# Altium PCB UHF-QM1.PcbDoc (part 1 of 2) (continued)
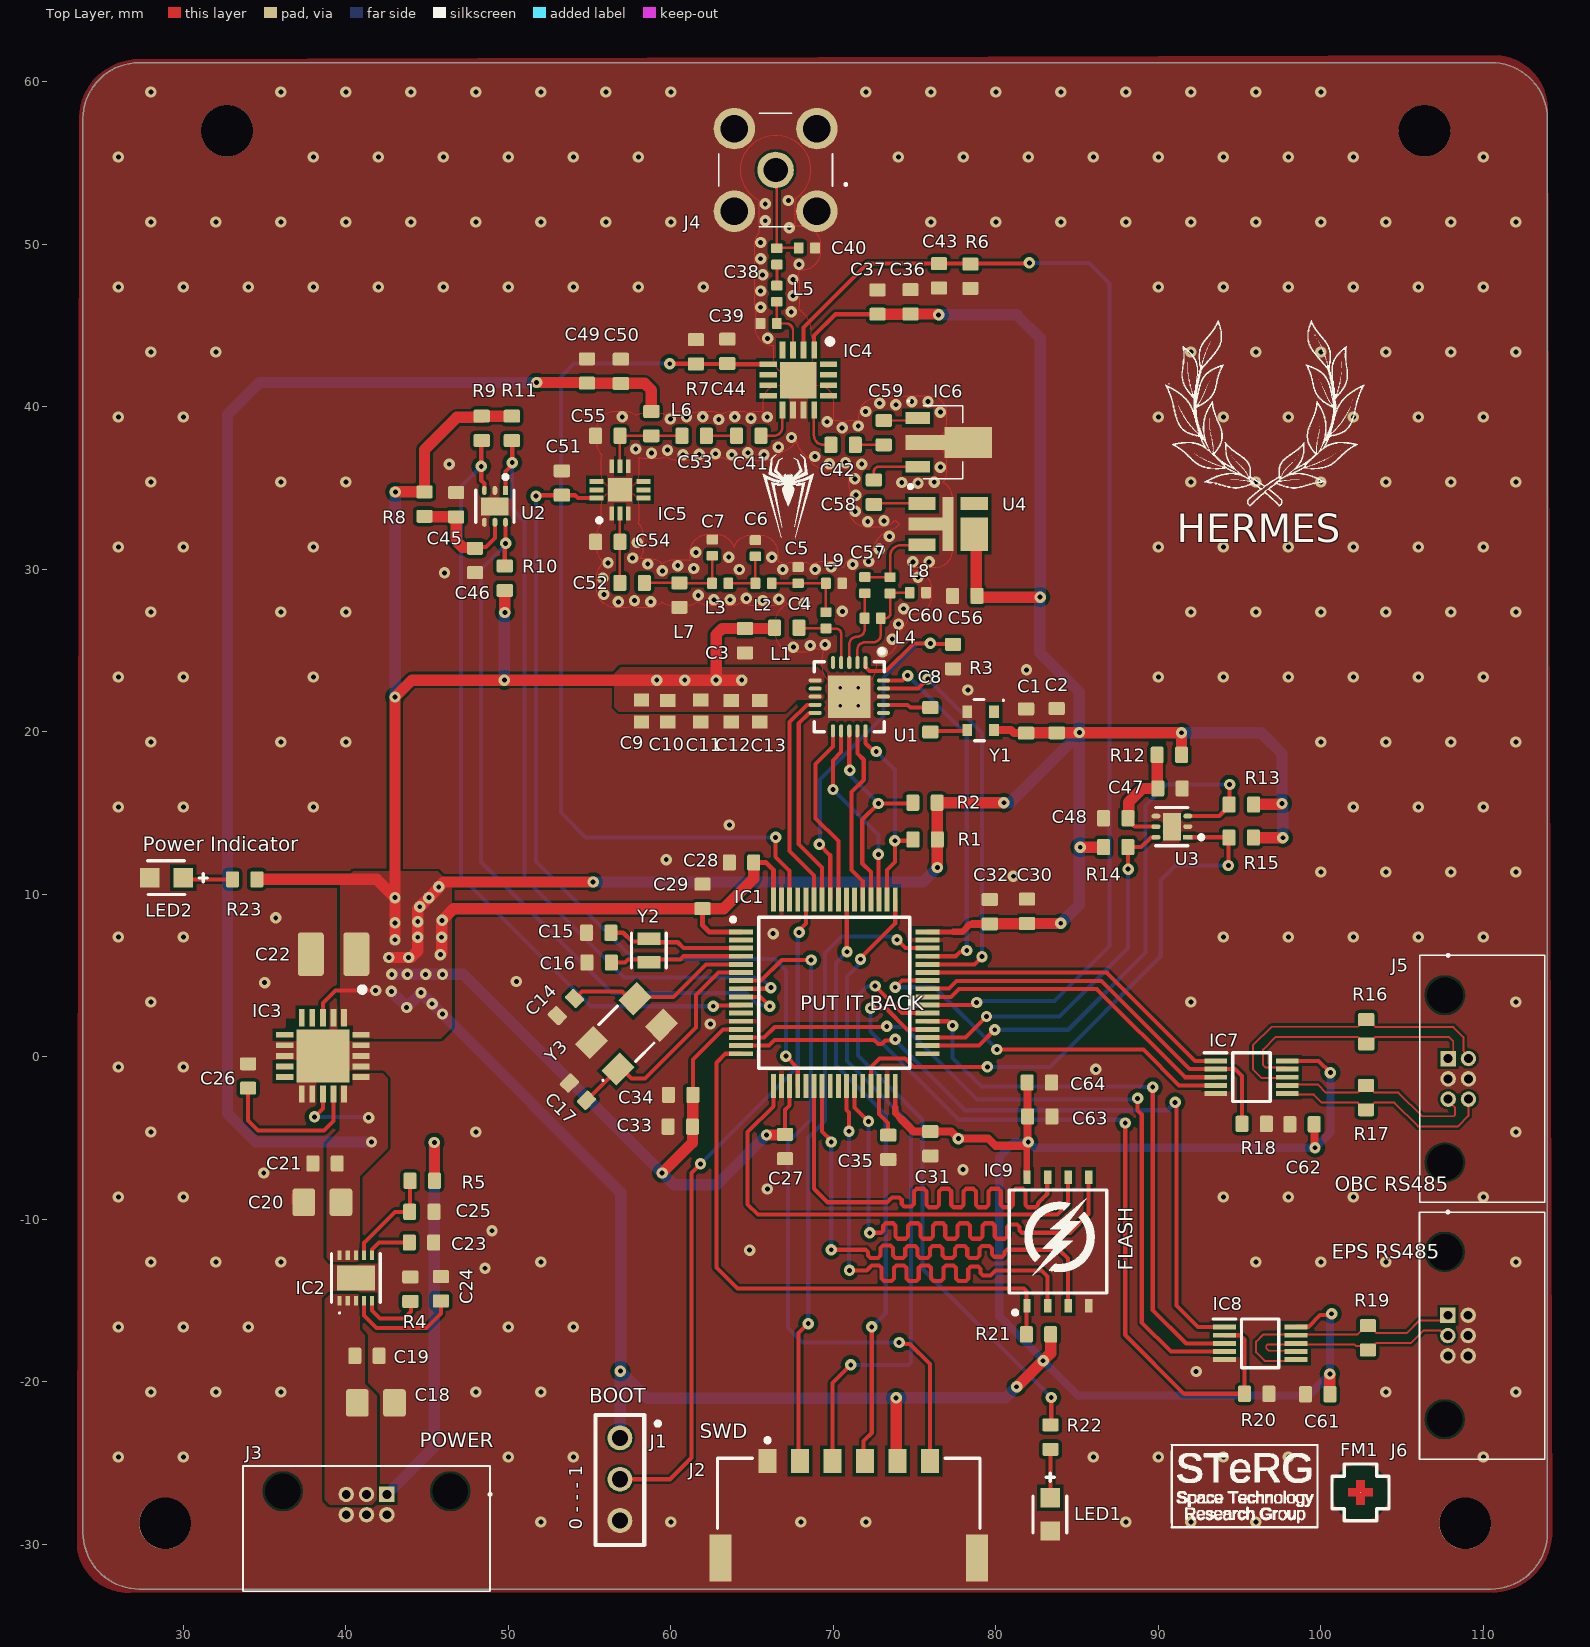
[diagram p0: Top Layer view]
## Components (designator, comment, footprint, x,y, rotation, side; value= is the part's Value field where it differs from the comment)
C1 "100nF" CAP_0603#1 81.864,20.676 r270 top
C2 "10nF" CAP_0603#1 83.744,20.701 r270 top
C3 "33pF" CAP_0603#1 64.567,25.615 r270 top
C4 "6.8pF" CAP_0402 69.545,26.873 r90 top
C5 "10pF" CAP_0402 67.831,29.646 r270 top
C6 "18pF" CAP_0402 65.206,31.306 r270 top
C7 "10pF" CAP_0402 62.553,31.342 r270 top
C8 "10nF +/-?% XR?" CAP_0603#1 75.971,20.752 r270 top
C9 "2u2f" CAPC1608X87N 58.191,21.295 r270 top
C10 "100nf" CAPC1608X87N 59.817,21.269 r270 top
C11 "100pf" CAPC1608X87N 61.849,21.295 r270 top
C12 "33pf" CAPC1608X87N 63.717,21.281 r270 top
C13 "100nf" CAPC1608X87N 65.469,21.281 r270 top
C14 "27pF" CAP_0603#1 53.543,3.073 r225 top
C15 "20pF" CAP_0603#1 55.562,7.645 r0 top
C16 "20pF" CAP_0603#1 55.587,5.817 r0 top
C17 "27pF" CAP_0603#1 54.283,-2.137 r135 top
C18 "10uF" CAP_0805 41.847,-21.286 r180 top
C19 "100nF" CAP_0603#1 41.3,-18.39 r180 top
C20 "10uF" CAP_0805 38.557,-8.941 r0 top
C21 "100nF" CAP_0603#1 38.722,-6.553 r0 top
C22 "47uF" CAP_1210 39.243,6.325 r0 top
C23 "100nF" CAP_0603#1 44.657,-11.417 r0 top
C24 "100nF" CAP_0603#1 45.851,-14.264 r90 top
C25 "100nF" CAP_0603#1 44.679,-9.525 r180 top
C26 "1uF" CAP_0603#1 33.985,-1.168 r270 top
C27 "100nF" CAP_0603#1 67.031,-5.512 r90 top
C28 "100nF" CAP_0603#1 64.352,11.963 r0 top
C29 "100nF" CAP_0603#1 61.951,9.881 r270 top
C30 "1uF" CAP_0603#1 81.915,8.966 r270 top
C31 "100nF" CAP_0603#1 75.971,-5.334 r90 top
C32 "100nF" CAP_0603#1 79.629,8.941 r270 top
C33 "1uF" CAP_0603#1 60.581,-4.288 r0 top
C34 "100nF" CAP_0603#1 60.606,-2.332 r0 top
C35 "4.7uF" CAP_0603#1 73.381,-5.563 r90 top
C36 "100nF" CAP_0603#1 74.752,46.47 r90 top
C37 "100pF" CAP_0603#1 72.72,46.457 r90 top
C38 "6.4pf" CAP_0402 66.523,49.268 r90 top
C39 "2.6pf" CAP_0402 66.023,45.136 r0 top
C40 "2.6pf" CAP_0402 68.369,49.784 r180 top
C41 "100pF" CAP_0603#2 64.795,38.227 r180 top
C42 "100pF" CAP_0603#2 70.599,37.668 r0 top
C43 "100pF" CAP_0603#1 76.505,48.07 r270 top
C44 "100pF" CAP_0603#1 63.475,43.422 r90 top
C45 "1uF" CAP_0603#1 46.787,33.985 r270 top
C46 "100nF" CAP_0603#1 47.952,30.553 r90 top
C47 "1uF" CAP_0603#1 90.715,16.523 r180 top
C48 "100nF" CAP_0603#1 87.374,14.694 r0 top
C49 "100nF" CAP_0603#1 54.839,42.215 r90 top
C50 "1nF" CAP_0603#1 56.921,42.189 r90 top
C51 "100nF" CAP_0603#1 53.289,35.319 r90 top
C52 "1nF" CAP_0603#2 57.619,29.173 r0 top
C53 "1nF" CAP_0603#2 61.431,38.227 r180 top
C54 "0.4pF" CAP_0603#3 56.121,31.699 r0 top
C55 "0.4pF" CAP_0603#3 56.121,38.227 r0 top
C56 "10nF" CAP_0603#1 78.092,28.372 r0 top
C57 "2.6pF" CAP_0402 71.941,29.032 r90 top
C58 "2.4nF" CAP_0603#2 72.492,34.759 r270 top
C59 "2.4nF" CAP_0603#2 73.101,38.418 r90 top
C60 "5.1pF" CAP_0402 75.201,28.575 r180 top
C61 "100nF" CAP_0603#1 99.809,-20.752 r180 top
C62 "100nf" CAP_0603#1 98.841,-4.14 r180 top
C63 "100nF" CAP_0603#1 82.702,-3.658 r180 top
C64 "1uF" CAP_0603#1 82.677,-1.575 r180 top
FM1 "Comment" FIDUCIAL_CROSS_1MM5 102.438,-26.797 r0 top
FM2 "Comment" FIDUCIAL_CROSS_1MM5 102.438,-26.797 r180 bottom
IC1 "STM32U575RGT6TR" QFP50P1200X1200X160-64N 70.058,3.952 r0 top
IC2 "LS1205EVD33" LS1205EVD33 40.618,-13.601 r0 top
IC3 "TPS7A4700RGWT" QFN65P500X500X100-21N-D 38.593,0.064 r270 top
IC4 "HMC8038LP4CETR" QFN65P400X400X90-17N-D 67.843,41.656 r270 top
IC5 "PMA3-73-1W+" QFN51P300X300X89-13N 56.871,34.9 r90 top
IC6 "GALI-3+" GALI3 76.746,37.821 r270 top
IC7 "SN65HVD76DGSR" SOP50P490X110-10N 95.733,-1.245 r0 top locked
IC8 "SN65HVD76DGSR" SOP50P490X110-10N 96.266,-17.628 r0 top
IC9 "MT29F4G01ABAFDWB-IT_F" SON127P800X600X65-8N 83.82,-11.354 r90 top
J1 "Pin header 1x3" "HEADER 3" 55.62,-29.774 r0 top
J2 "205338-0006" FP-2053380006-MFG 70.947,-28.586 r180 top
J3 "G125-MH10605M4P" G125-MH10605M4P_1 42.525,-26.919 r180 top
J4 "901-144-8RFX" 9011448RFX 66.446,54.585 r0 top
J5 "G125-MH10605M4P" G125-MH10605M4P_1 107.834,-0.098 r270 top locked
J6 "G125-MH10605M4P" G125-MH10605M4P_1 107.818,-15.895 r270 top
L1 "270nH +/-?% ?DCR" IND_0603#1 67.132,26.416 r0 top
L2 "22nH" IND_0402 65.706,29.146 r180 top
L3 "22nH" IND_0402 63.039,29.146 r180 top
L4 "22nH" IND_0402 70.045,29.146 r0 top
L5 "18nH" IND_0402 66.523,46.973 r90 top
L6 "20nH" IND_0603#2 58.801,38.977 r90 top
L7 "25nH" IND_0603#1 60.528,28.423 r90 top
L8 "62nH" IND_0402 73.49,29.024 r270 top
L9 "72nH" IND_0402 72.423,27 r180 top
LED1 "SMD 0805" FP-SM0805YCL-MFG 83.337,-28.143 r270 top
LED2 "SMD 0805" FP-SM0805YCL-MFG 28.956,11.024 r180 top
R1 "10k" RES_0603 75.653,13.386 r180 top
R2 "10k" RES_0603 75.641,15.646 r180 top
R3 "10k" RES_0603 77.368,24.638 r270 top
R4 "3.48k" RES_0603 43.971,-14.289 r90 top
R5 "10k" RES_0603 44.704,-7.62 r180 top
R6 "10k" RES_0603 78.435,48.045 r270 top
R7 "4.7k" RES_0603 61.544,43.397 r270 top
R8 "500" RES_0603 44.84,34.025 r90 top
R9 "5k" RES_0603 48.362,38.684 r90 top
R10 "5k" RES_0603 49.781,29.461 r270 top
R11 "5k" RES_0603 50.216,38.684 r90 top
R12 "500" RES_0603 90.678,18.593 r0 top
R13 "5k" RES_0603 95.109,15.532 r0 top
R14 "5k" RES_0603 87.374,12.916 r180 top
R15 "5k" RES_0603 95.096,13.5 r0 top
R16 "120 1%" RES_0603 102.794,1.549 r270 top
R17 "120 1%" RES_0603 102.784,-2.498 r90 top locked
R18 "10k" RES_0603 95.898,-4.115 r0 top locked
R19 "120 1%" RES_0603 102.895,-17.285 r90 top
R20 "10k" RES_0603 96.049,-20.726 r0 top
R21 "10k" RES_0603 82.626,-17.069 r0 top
R22 "500" RES_0603 83.363,-23.393 r90 top
R23 "500" RES_0603 33.777,10.929 r0 top
U1 "Si4464-B1B-FMR" SLAB-QFN-20-2600x2600TP_M 70.981,22.17 r270 top
U2 "" FP-DRV0006A-IPC_C 49.174,33.884 r270 top
U3 "" FP-DRV0006A-IPC_C 90.832,14.173 r180 top
U4 "TCBT-14+" TCBT14bias 77.062,32.791 r270 top
Y1 "TG2016SMN_25.0000M-MCGNNM3" TG2016SMN250000MMCGNNM3 79.067,20.68 r180 top
Y2 "ABS06-32.768KHZ-1-T" FP-ABS06-MFG 58.65,6.55 r270 top
Y3 "ABM3BAIG-16.000MHZ-12-3-T" ABM3BAIG 57.268,1.425 r45 top

## Footprints (in the part's own frame and the unit in brackets; to place one, negate y for a bottom-side part, rotate by r counter-clockwise, add the part's x,y. Pads: shape width x height; smd on the part's side, far side on the other; paste and mask are expansions set on the pad)
9011448RFX [mm]
  round 2.25 hole 1.5: 1(0,0)
  round 2.55 hole 1.7: 2(-2.54,-2.54) 3(2.54,-2.54) 4(2.54,2.54) 5(-2.54,2.54)
  silkscreen extent -3.5,-3.5 4.37,3.5, body extent -3.5,-3.5 3.5,3.5, height 9.55
ABM3BAIG [mm]
  rect 1.6x1.3 smd: 1(-1.9,-1.15) 2(1.9,-1.15) 3(1.9,1.15) 4(-1.9,1.15)
  silkscreen extent -3.1,-1.6 0.8,1.6, body extent -2.5,-1.73 2.5,1.47, height 0.9
CAP_0402 [mm]
  rrect25% 0.6x0.7 smd: 1(-0.5,0) 2(0.5,0)
  body extent -0.5,-0.26 0.5,0.26, height 0.37
CAP_0603#1 [mm]
  rrect25% 0.8x1 smd: 1(-0.75,0) 2(0.75,0)
  body extent -0.8,-0.4 0.8,0.4, height 0.51
CAP_0603#2 [mm]
  rrect25% 0.8x1 smd mask+0.102: 1(-0.75,0) 2(0.75,0)
  body extent -0.8,-0.4 0.8,0.4, height 0.51
CAP_0603#3 [mm]
  rrect25% 0.8x1 smd: 1(-0.75,0)
  rrect25% 0.8x1 smd mask+0.102: 2(0.75,0)
  body extent -0.8,-0.4 0.8,0.4, height 0.51
CAP_0805 [mm]
  rrect25% 1.4x1.7 smd: 1(-1.143,0) 2(1.143,0)
  body extent -1.15,-0.76 1.15,0.79, height 1.01
CAP_1210 [mm]
  rrect25% 1.6x2.7 smd: 1(-1.4,0) 2(1.4,0)
  body extent -1.6,-1.25 1.6,1.25, height 2.5
CAPC1608X87N [mm]
  rect 0.8x0.94 smd: 1(-0.67,0) 2(0.67,0)
  body extent -0.8,-0.4 0.8,0.4, height 0.87
FIDUCIAL_CROSS_1MM5 [mil]
  round 1 smd paste-19.68: FM(0,0)
  Top Layer pour cut-out: 0,68.9 26.37,63.65 48.72,48.72 63.65,26.37 68.9,0 68.9,0 63.65,-26.37 48.72,-48.72 26.37,-63.65 0,-68.9 0,-68.9 -26.37,-63.65 -48.72,-48.72 -63.65,-26.37 -68.9,0 -68.9,0 -63.65,26.37 -48.72,48.72 -26.37,63.65 0,68.9
  Top Layer region: -9.84,-29.53 -9.84,-9.84 -29.53,-9.84 -29.53,9.84 -9.84,9.84 -9.84,29.53 9.84,29.53 9.84,9.84 29.53,9.84 29.53,-9.84 9.84,-9.84 9.84,-29.53
  silkscreen extent -69,-69 69,69
FP-2053380006-MFG [mm]
  rect 1.1x1.45 smd paste+0 mask+0: 1(5,-3.725) 2(3,-3.725) 3(1,-3.725) 4(-1,-3.725) 5(-3,-3.725) 6(-5,-3.725)
  rect 1.35x2.9 smd paste+0 mask+0: 7(-7.895,2.25) 8(7.895,2.25)
  silkscreen extent -8.07,-5.12 8.08,0.42, body extent -8.67,-4.55 8.67,4, height 0.25
FP-ABS06-MFG [mm]
  rect 0.75x1.4 smd paste+0 mask+0: 1(-0.725,0) 2(0.725,0)
  silkscreen extent -1.07,-1.07 1.07,1.07, body extent -1.2,-0.8 1.2,0.8, height 0.25
FP-DRV0006A-IPC_C [mm]
  rect 0.556x0.292 smd paste+0 mask+0: 1(-0.978,0.65)
  rrect100% 0.556x0.292 smd paste+0 mask+0: 2(-0.978,0) 3(-0.978,-0.65) 4(0.978,-0.65) 5(0.978,0) 6(0.978,0.65)
  rect 1.1x1.7 smd paste-1000 mask+0: 7(0,0)
  silkscreen extent -1.93,-1.18 1,1.18, body extent -1.36,-1.1 1.36,1.1, height 0.25
FP-SM0805YCL-MFG [mil]
  rect 47x47 smd paste+0 mask+0: 1(-40.5,0) 2(40.5,0)
  silkscreen extent -100,-41 45,40, body extent -68,-33 68,33, height 10
G125-MH10605M4P_1 [mm]
  rect 0.95x0.95 hole 0.55: 1(0,0)
  round 0.95 hole 0.55: 2(1.25,0) 3(2.5,0) 4(0,1.25) 5(1.25,1.25) 6(2.5,1.25)
  round 1.1 hole 2.2 unplated: 7(-3.9,-0.2) 8(6.4,-0.2)
  silkscreen extent -6.4,-1.75 8.85,5.95, body extent -6.35,-1.75 8.85,5.95, height 5.17
GALI3 [mil]
  rect 27.99x59.02 smd: 1(-59.02,-61.5) 3(59.02,-61.5)
  rect 35.98x95 smd: 2(0,-43.5)
  rect 75x115 smd: 4(0,61.5)
  silkscreen extent -102,-85 89,48, body extent -91,-70 91,97, height 65
"HEADER 3" [mil]
  round 60 hole 39.37: 1(49.21,249.21) 2(49.21,149.21) 3(49.21,49.21)
  silkscreen extent -10,-10 146,305, body extent 0,0 98,298, height 217
IND_0402 [mm]
  rrect25% 0.6x0.7 smd: 1(-0.5,0) 2(0.5,0)
  body extent -0.56,-0.26 0.56,0.26, height 0.67
IND_0603#1 [mm]
  rrect25% 0.8x1 smd: 1(-0.75,0)
  rrect25% 0.8x1 smd mask+0.102: 2(0.75,0)
  body extent -0.81,-0.37 0.81,0.37, height 0.87
IND_0603#2 [mm]
  rrect25% 0.8x1 smd mask+0.102: 1(-0.75,0)
  rrect25% 0.8x1 smd: 2(0.75,0)
  body extent -0.81,-0.37 0.81,0.37, height 0.87
LS1205EVD33 [mm]
  rect 0.25x0.6 smd: 1(-1,-1.4) 2(-0.5,-1.4) 3(0,-1.4) 4(0.5,-1.4) 5(1,-1.4) 6(1,1.4) 7(0.5,1.4) 8(0,1.4) 9(-0.5,1.4) 10(-1,1.4)
  rect 2.35x1.55 smd: 11(0,0)
  silkscreen extent -1.5,-2.2 1.5,1.5, body extent -1.5,-1.5 1.5,1.5, height 0.75
QFN51P300X300X89-13N [mm]
  rect 0.85x0.3 smd: 1(-1.45,0.51) 3(-1.45,-0.51) 7(1.45,-0.51) 9(1.45,0.51)
  rect 0.85x0.3 smd mask+0.102: 2(-1.45,0) 8(1.45,0)
  rect 0.3x0.85 smd: 4(-0.51,-1.45) 5(0,-1.45) 6(0.51,-1.45) 10(0.51,1.45) 11(0,1.45) 12(-0.51,1.45)
  rect 1.45x1.45 smd: 13(0,0)
  silkscreen extent -2,1.15 -1.75,1.4, body extent -1.55,-1.55 1.55,1.55, height 0.89
QFN65P400X400X90-17N-D [mm]
  rect 1.05x0.35 smd: 1(-1.85,0.975) 2(-1.85,0.325) 4(-1.85,-0.975) 10(1.85,-0.325) 11(1.85,0.325)
  rect 1.05x0.35 smd mask+0.102: 3(-1.85,-0.325) 9(1.85,-0.975) 12(1.85,0.975)
  rect 0.35x1.05 smd: 5(-0.975,-1.85) 6(-0.325,-1.85) 7(0.325,-1.85) 8(0.975,-1.85) 13(0.975,1.85) 14(0.325,1.85) 15(-0.325,1.85) 16(-0.975,1.85)
  rect 2.25x2.25 smd: 17(0,0)
  silkscreen extent -2.54,1.79 -2.21,2.11, body extent -2.05,-2.05 2.05,2.05, height 0.9
QFN65P500X500X100-21N-D [mm]
  rect 1.05x0.35 smd: 1(-2.35,1.3) 2(-2.35,0.65) 3(-2.35,0) 4(-2.35,-0.65) 5(-2.35,-1.3) 11(2.35,-1.3) 12(2.35,-0.65) 13(2.35,0) 14(2.35,0.65) 15(2.35,1.3)
  rect 0.35x1.05 smd: 6(-1.3,-2.35) 7(-0.65,-2.35) 8(0,-2.35) 9(0.65,-2.35) 10(1.3,-2.35) 16(1.3,2.35) 17(0.65,2.35) 18(0,2.35) 19(-0.65,2.35) 20(-1.3,2.35)
  rect 3.25x3.25 smd: 21(0,0)
  body extent -2.5,-2.5 2.5,2.5, height 1
QFP50P1200X1200X160-64N [mm]
  rect 1.475x0.3 smd: 1(-5.738,3.75) 2(-5.738,3.25) 3(-5.738,2.75) 4(-5.738,2.25) 5(-5.738,1.75) 6(-5.738,1.25) 7(-5.738,0.75) 8(-5.738,0.25) 9(-5.738,-0.25) 10(-5.738,-0.75) 11(-5.738,-1.25) 12(-5.738,-1.75) 13(-5.738,-2.25) 14(-5.738,-2.75) 15(-5.738,-3.25) 16(-5.738,-3.75) 33(5.738,-3.75) 34(5.738,-3.25) 35(5.738,-2.75) 36(5.738,-2.25) 37(5.738,-1.75) 38(5.738,-1.25) 39(5.738,-0.75) 40(5.738,-0.25) 41(5.738,0.25) 42(5.738,0.75) 43(5.738,1.25) 44(5.738,1.75) 45(5.738,2.25) 46(5.738,2.75) 47(5.738,3.25) 48(5.738,3.75)
  rect 0.3x1.475 smd: 17(-3.75,-5.738) 18(-3.25,-5.738) 19(-2.75,-5.738) 20(-2.25,-5.738) 21(-1.75,-5.738) 22(-1.25,-5.738) 23(-0.75,-5.738) 24(-0.25,-5.738) 25(0.25,-5.738) 26(0.75,-5.738) 27(1.25,-5.738) 28(1.75,-5.738) 29(2.25,-5.738) 30(2.75,-5.738) 31(3.25,-5.738) 32(3.75,-5.738) 49(3.75,5.738) 50(3.25,5.738) 51(2.75,5.738) 52(2.25,5.738) 53(1.75,5.738) 54(1.25,5.738) 55(0.75,5.738) 56(0.25,5.738) 57(-0.25,5.738) 58(-0.75,5.738) 59(-1.25,5.738) 60(-1.75,5.738) 61(-2.25,5.738) 62(-2.75,5.738) 63(-3.25,5.738) 64(-3.75,5.738)
  silkscreen extent -6.35,-4.65 4.65,4.65, body extent -6,-6 6,6, height 1.6
RES_0603 [mm]
  rrect25% 0.8x1 smd: 1(-0.75,0) 2(0.75,0)
  body extent -0.8,-0.4 0.8,0.4, height 0.45
SLAB-QFN-20-2600x2600TP_M [mm] "QFN, 20-Leads, Body 4x4mm, Pitch 0.5mm, Thermal Pad 2.6x2.6mm, IPC Low Density"
  oval 0.8x0.25 smd: 1(-2.1,1) 5(-2.1,-1) 11(2.1,-1) 12(2.1,-0.5) 13(2.1,0) 14(2.1,0.5) 15(2.1,1)
  oval 0.8x0.25 smd mask+0.102: 2(-2.1,0.5) 3(-2.1,0) 4(-2.1,-0.5)
  oval 0.25x0.8 smd: 6(-1,-2.1) 7(-0.5,-2.1) 8(0,-2.1) 9(0.5,-2.1) 10(1,-2.1) 16(1,2.1) 17(0.5,2.1) 18(0,2.1) 19(-0.5,2.1) 20(-1,2.1)
  rect 2.6x2.6 smd: 21(0,0)
  silkscreen extent -2.92,-2.15 2.15,2.15, body extent -2,-2 2,2, height 0.9
SON127P800X600X65-8N [mm]
  rect 0.85x0.45 smd: 1(-3.95,1.905) 2(-3.95,0.635) 3(-3.95,-0.635) 4(-3.95,-1.905) 5(3.95,-1.905) 6(3.95,-0.635) 7(3.95,0.635) 8(3.95,1.905)
  silkscreen extent -4.5,-3 3.18,3, body extent -4,-3 4,3, height 0.65
SOP50P490X110-10N [mm]
  rect 1.4x0.3 smd: 1(-2.2,1) 2(-2.2,0.5) 3(-2.2,0) 4(-2.2,-0.5) 5(-2.2,-1) 6(2.2,-1) 7(2.2,-0.5) 8(2.2,0) 9(2.2,0.5) 10(2.2,1)
  silkscreen extent -2.9,-1.5 1.15,1.5, body extent -2.46,-1.5 2.46,1.5, height 1.1
TCBT14bias [mm]
  rect 0.79x1.68 smd: 1(-1.27,-1.61) 2(1.27,-1.61) 4(-1.27,1.61)
  rect 2.06x1.68 smd: 3(0.635,1.61)
  rect 3.33x0.69 smd: 5(0,0)
  rect 0.79x2.11 smd: 6(0,-1.395)
  silkscreen extent -2.4,-2.4 -2.22,-2.22, body extent -1.91,-1.91 1.91,1.91, height 3.56
TG2016SMN250000MMCGNNM3 [mm]
  rect 0.6x0.75 smd: 1(-0.825,-0.565) 2(0.825,-0.565) 3(0.825,0.565) 4(-0.825,0.565)
  silkscreen extent -1.45,-1.32 0.4,1.22, body extent -1.06,-0.88 1.06,0.88, height 0.83

## Part data
C1 C2 C3 C8 C14 C15 C16 C17 C19 C21 C23 C24 C25 C26 C27 C28 C29 C30 C31 C32 C33 C34 C35 C36 C37 C41 C42 C43 C44 C45 C46 C47 C48 C49 C50 C51 C52 C53 C54 C55 C56 C58 C59 C61 C62 C63 C64: library part Capacitor-SMD-0603, "Capacitor SMD 0603 RATED"
C4 C5 C6 C7 C38 C39 C40 C57 C60: library part Capacitor-SMD-0402, "Capacitor SMD 0402 RATED"
C9 C10 C11 C12 C13: library part 0603N470J500CT, "Capacitor", Manufacturer_Name="Walsin Technology Corporation", Mouser Part Number=791-0603N470J500CT, Manufacturer_Part_Number=0603N470J500CT, Height=0.87mm, Datasheet Link=https://datasheet.datasheetarchive.com/originals/distributors/DKDS41/DSANUWW0027552.pdf, Mouser Price/Stock=https://www.mouser.co.uk/ProductDetail/Walsin/0603N470J500CT?qs=ZrPdAQfJ6DOWJe9N0xQVbw%3D%3D
C18 C20: library part Capacitor-SMD-0805, "Capacitor SMD 0805 RATED"
C22: library part Capacitor-SMD-1210, "Capacitor SMD 1210 RATED"
IC1: "Integrated Circuit", Manufacturer_Name=STMicroelectronics, Mouser Part Number=511-STM32U575RGT6TR, Manufacturer_Part_Number=STM32U575RGT6TR, Height=1.6mm, Datasheet Link=https://www.st.com/resource/en/datasheet/stm32u575ag.pdf, Mouser Price/Stock=https://www.mouser.co.uk/ProductDetail/STMicroelectronics/STM32U575RGT6TR?qs=T%252BzbugeAwjjwoz%252BinJLUwQ%3D%3D, Arrow Part Number=STM32U575RGT6TR, Arrow Price/Stock=https://www.arrow.com/en/products/stm32u575rgt6tr/stmicroelectronics?utm_currency=USD&region=nac
IC2: "Integrated Circuit", Manufacturer_Name=LITTELFUSE, Mouser Part Number=576-LS1205EVD33, Height=0.8mm, Manufacturer_Part_Number=LS1205EVD33, Datasheet Link=https://www.littelfuse.com/media?resourcetype=datasheets&itemid=b40a8809-c1ad-459d-a34c-84532dbddcb7&filename=littelfuse-protection-ic-ls1205exd33--datasheet, Mouser Price/Stock=https://www.mouser.co.uk/ProductDetail/Littelfuse/LS1205EVD33?qs=4ASt3YYao0VRtislHe5uQQ%3D%3D, Arrow Part Number=LS1205EVD33, Arrow Price/Stock=https://www.arrow.com/en/products/ls1205evd33/littelfuse?utm_currency=USD&region=nac
IC3: library part TPS7A4700RGWR, "Integrated Circuit", Manufacturer_Name="Texas Instruments", Mouser Part Number=595-TPS7A4700RGWR, Manufacturer_Part_Number=TPS7A4700RGWR, Height=1mm, Datasheet Link=http://www.ti.com/lit/gpn/tps7a47, Mouser Price/Stock=https://www.mouser.co.uk/ProductDetail/Texas-Instruments/TPS7A4700RGWR?qs=b5Ofe9I6AaEq0TfoG6v9lA%3D%3D, Arrow Part Number=TPS7A4700RGWR, Arrow Price/Stock=https://www.arrow.com/en/products/tps7a4700rgwr/texas-instruments?region=nac
IC4: "Integrated Circuit", Manufacturer_Name="Analog Devices", Mouser Part Number=584-HMC8038LP4CETR, Manufacturer_Part_Number=HMC8038LP4CETR, Height=0.9mm, Datasheet Link=https://pt.mouser.com/datasheet/2/609/HMC8038W-2956082.pdf, Mouser Price/Stock=https://www.mouser.co.uk/ProductDetail/Analog-Devices/HMC8038LP4CETR?qs=JeIcUl65ClBZnat%2FltI6ww%3D%3D, Arrow Part Number=HMC8038LP4CETR, Arrow Price/Stock=https://www.arrow.com/en/products/hmc8038lp4cetr/analog-devices?region=nac
IC5: "Integrated Circuit", Manufacturer_Name=Mini-Circuits, Height=0.89mm, Manufacturer_Part_Number=PMA3-73-1W+, Datasheet Link=https://www.minicircuits.com/WebStore/dashboard.html?model=PMA3-73-1W%2B
IC6: "Integrated Circuit", Manufacturer_Name=Mini-Circuits, Mouser Part Number=139-GALI-3, Datasheet Link=https://www.mouser.com/datasheet/2/1030/GALI-3_2b-1700470.pdf, Height=1.6mm, Manufacturer_Part_Number=GALI-3+, Mouser Price/Stock=https://www.mouser.co.uk/ProductDetail/Mini-Circuits/GALI-3%2b?qs=xZ%2FP%252Ba9zWqaN9gt7VIItFw%3D%3D
IC7 IC8: "RS485 Full Duplex Transciever", Manufacturer_Name="Texas Instruments", Mouser Part Number=595-SN65HVD76DGSR, Arrow Part Number=SN65HVD76DGSR, Arrow Price/Stock=https://www.arrow.com/en/products/sn65hvd76dgsr/texas-instruments?region=nac, Datasheet Link=http://www.ti.com/lit/gpn/sn65hvd76, Height=1.1mm, Manufacturer_Part_Number=SN65HVD76DGSR, Mouser Price/Stock=https://www.mouser.co.uk/ProductDetail/Texas-Instruments/SN65HVD76DGSR?qs=7z%252BmIopC6%2FI%252B8LLIzcebYw%3D%3D
IC9: "Integrated Circuit", Arrow Part Number=MT29F4G01ABAFDWB-IT:F, Manufacturer_Name=Micron, Mouser Part Number=340-359563, Arrow Price/Stock=null?region=nac, Datasheet Link=https://www.farnell.com/datasheets/3151403.pdf, Height=0.65mm, Manufacturer_Part_Number=MT29F4G01ABAFDWB-IT:F, Mouser Price/Stock=https://www.mouser.co.uk/ProductDetail/Micron/MT29F4G01ABAFDWB-ITF?qs=wUXugUrL1qwrjb7To7JPbA%3D%3D
J2: library part CMP-00257-108204701-1, "205338-0006 Connector Shrouded Header Positive Lock 6 Position 2mm Pitch Right Angle Surface Mount T/R", Manufacturer Lifecycle Status=ACTIVE, Number of Rows=1, Orientation="Right Angle", Number of Circuits=6, NexarPartId=108204701, Lifecycle Status=Production, Schedule B=8536694040, Country of Origin=MY, Contact Plating=Gold, RoHS=Compliant, Gender=Male
J3 J5 J6: "Connector", Manufacturer_Name=Harwin, Mouser Part Number=855-G125MH1065M4PM4P, Datasheet Link=https://content.harwin.com/m/667f1be9427fb768/original/DRG-02921-Technical-Drawing-Datasheet-G125-MH1XX05M4P-pdf.pdf, Height=5.3mm, Manufacturer_Part_Number=G125-MH10605M4P, Mouser Price/Stock=https://www.mouser.co.uk/ProductDetail/Harwin/G125-MH10605M4P?qs=vHuUswq2%252BswF07IXFR1W6A%3D%3D
J4: "Connector", Manufacturer_Name=Amphenol, Mouser Part Number=523-901-144-8RFX, Arrow Part Number=901-144-8RFX, Arrow Price/Stock=https://www.arrow.com/en/products/901-144-8rfx/amphenol-rf?region=europe, Datasheet Link=https://componentsearchengine.com/Datasheets/1/901-144-8RFX.pdf, Height=9.53mm, Manufacturer_Part_Number=901-144-8RFX, Mouser Price/Stock=https://www.mouser.co.uk/ProductDetail/Amphenol-RF/901-144-8RFX?qs=jpOL8GWAqat%252BbPjbt8toTg%3D%3D
L1 L6 L7: library part Inductor-SMD-RF-0603, "Inductor SMD 0603"
L2 L3 L4 L5 L8 L9: library part Inductor-SMD-RF-0402, "Inductor SMD 0402"
LED1 LED2: library part CMP-35283-000007-1, "LED YELLOW CLEAR 0805 SMD", Lens Color=Colorless, Min Operating Temperature=-30°C, Max Operating Temperature=80°C, Illumination Color=Yellow, Forward Current=2mA, Case/Package=0805, Case Code (Metric)=2012, Package Quantity=4000, Forward Voltage=1.9V, Lead Free="Lead Free", Length=2mm, Lens Transparency=Clear, Mount="Surface Mount", Luminous Intensity=11.5mcd, Height=0.8mm, Width=1.2mm, Dominant Wavelength=592nm, Color=Yellow, Case Code (Imperial)=0805, Viewing Angle=130°, Test Current=2mA, Packaging="Tape and Reel"
R1 R2 R3 R4 R5 R6 R7 R8 R9 R10 R11 R12 R13 R14 R15 R16 R17 R18 R19 R20 R21 R22 R23: library part Resistor-SMD-0603, "Resistor SMD 0603 RATED"
U1: library part CMP-0520-00036-1, "High-Performance, Low-Current Transceiver, 119 to 960 MHz, -20 to 20 dBm Output Power, -40 to 85 degC, 20-pin QFN, Tape and Reel", Output Power Range="-20 to 20 dBm", Manufacturer="Silicon Labs", Frequency Range="119 to 960 MHz", RX Current="10.6/13.6 mA", FSK/GFSK="500 kbps", PartNumber=Si4464-B1B-FMR, PackageReference=QFN-20, PackageDescription="20-Pin Quad-Flat No-Leads Package, Body 4 x 4 mm, Pitch 0.5 mm", OOK="120 kbps", Mounting Technology="Surface Mount", Packing="Tape and Reel", Sub-Family=EZRadioPRO, ComponentLink3URL=http://www.silabs.com/Support%20Documents/TechnicalDocs/Si4464-63-61-60.pdf, ComponentLink3Description="Package Specification", ComponentLink2URL="http://www.silabs.com/Support Documents/TechnicalDocs/Si4464-63-61-60.pdf", ComponentLink2Description=Datasheet, ComponentLink1URL=http://www.silabs.com/, ComponentLink1Description="Manufacturer URL", Code_JEDEC=MO-220, Code_IPC=J-STD-020C, DatasheetVersion="Rev. 1.2"
U2: library part CMP-04948-000045-1, "SENSOR DIGITAL -55C-125C 6WSON", Max Operating Temperature=150°C, Min Operating Temperature=-55°C, Interface=I2C, Mount="Surface Mount", Output Type=I2C, Packaging="Tape and Reel", Resolution=16b, RoHS Compliant=Yes
U3: library part CMP-04948-000045-1, "SENSOR DIGITAL -55C-125C 6WSON", Min Operating Temperature=-55°C, Max Operating Temperature=150°C, Output Type=I2C, Packaging="Tape and Reel", Mount="Surface Mount", RoHS Compliant=Yes, Interface=I2C, Resolution=16b
U4: "Undefined or Miscellaneous", Manufacturer_Name=Mini-Circuits, Mouser Part Number=139-TCBT-14, Datasheet Link=https://datasheet.datasheetarchive.com/originals/distributors/Datasheets_SAMA/5b6a26293074ceb01a848c930930d1aa.pdf, Height=3.56mm, Manufacturer_Part_Number=TCBT-14+, Mouser Price/Stock=https://www.mouser.co.uk/ProductDetail/Mini-Circuits/TCBT-14%2b?qs=xZ%2FP%252Ba9zWqZ8CC6RU0tY5w%3D%3D
Y1: "Crystal or Oscillator", Arrow Part Number="TG2016SMN 25.0000M-MCGNNM3", Manufacturer_Name="Epson Timing", Mouser Part Number=732-TG216S25MCGNNM3, Arrow Price/Stock=https://www.arrow.com/en/products/tg2016smn-25.0000m-mcgnnm3/epson-electronics-america?region=nac, Datasheet Link=https://support.epson.biz/td/api/doc_check.php?dl=app_TG2016SMN&lang=en, Height=0.73mm, Manufacturer_Part_Number="TG2016SMN 25.0000M-MCGNNM3", Mouser Price/Stock=https://www.mouser.co.uk/ProductDetail/Epson-Timing/TG2016SMN-25.0000M-MCGNNM3?qs=d0WKAl%252BL4Ka73EeK48LHvA%3D%3D
Y2: library part CMP-27762-012387-2, "CRYSTAL 32.7680KHZ 12.5PF SMD", Case/Package=CSMD, ESR (Equivalent Series Resistance)=90kR, Frequency=32.768kHz, Frequency Tolerance=10ppm, Load Capacitance=12.5pF, Max Operating Temperature=85°C, Min Operating Temperature=-40°C, Operating Frequency="32.768 kHz", Package Quantity=3000, Depth=1.2mm, Height=0.6mm, Lead Free="Lead Free", Length=2mm, Mount="Surface Mount", Number of Pins=2, Packaging="Tape and Reel", Radiation Hardening=No, REACH SVHC="No SVHC", RoHS Compliant=Yes, Series=ABS06, Series Resistance=90kR, Termination=SMD/SMT, Tolerance=10ppm, Width=1.2mm
Y3: "Crystal or Oscillator", Manufacturer_Name=ABRACON, Manufacturer_Part_Number=ABM3BAIG-16.000MHZ-12-3-T, Height=0.9mm, Datasheet Link=https://abracon.com/AIGcrystals/ABM3BAIG.pdf

## Free pads (board coordinates)
  round 0.075 on Mech1: 1(23.825,-29.272) 1(23.825,-29.272) 1(23.825,57.72) 1(23.825,57.72) 1(27.294,-32.741) 1(27.294,-32.741) 1(27.294,61.189) 1(27.294,61.189) 1(36.195,-32.741) 1(36.195,-32.741) 1(110.476,-32.741) 1(110.476,-32.741) 1(110.476,61.189) 1(110.476,61.189) 1(113.944,-29.272) 1(113.944,-29.272) 1(113.944,57.72) 1(113.944,57.72)
  round 0.075 on Mech2: 1(23.825,-29.272) 1(23.825,-29.272) 1(23.825,57.72) 1(23.825,57.72) 1(27.294,-32.741) 1(27.294,-32.741) 1(27.294,61.189) 1(27.294,61.189) 1(36.195,-32.741) 1(36.195,-32.741) 1(110.476,-32.741) 1(110.476,-32.741) 1(110.476,61.189) 1(110.476,61.189) 1(113.944,-29.272) 1(113.944,-29.272) 1(113.944,57.72) 1(113.944,57.72)
  round 0.006 on Mech1: 1(27.29,-28.702) 1(30.47,-28.702) 1(31.1,56.998) 1(34.28,56.998) 1(104.785,56.998) 1(107.29,-28.702) 1(107.965,56.998) 1(110.47,-28.702)
  round 0.006 on Mech2: 1(27.29,-28.702) 1(30.47,-28.702) 1(31.1,56.998) 1(34.28,56.998) 1(104.785,56.998) 1(107.29,-28.702) 1(107.965,56.998) 1(110.47,-28.702)
  round 3.18 hole 3.18 mask-2539.97: 1(28.88,-28.702)
  round 3.18 on Mech2: 1(28.88,-28.702) 1(32.69,56.998) 1(106.375,56.998) 1(108.88,-28.702)
  round 3.18 hole 3.18: 1(32.69,56.998) 1(106.375,56.998) 1(108.88,-28.702)

## Via types
v1: diameter 0.7, hole 0.3, Top Layer to Bottom Layer, tented both sides, 426 vias
v2: diameter 0.5, hole 0.2, Top Layer to Bottom Layer, tented both sides, 4 vias

## Nets (pads, with @x,y where several pads share a name; then routed paths per layer and width w, separated by ;. In a path a pad name is that pad's centre, name@x,y a point inside that pad or via, vN(x,y) a via of type N, cw(c..) or ccw(c..) an arc to the next point about the centre after c; other vN are vias at no path point)
3v3: C1.2 C2.2 C3.1 C9.1 C10.1 C11.1 C12.1 C13.1 C22.2 C27.2 C28.2 C29.2 C30.2 C31.2 C32.2 C33.2 C34.2 C36.1 C37.1 C56.2 C61.1 C62.1 C63.2 C64.2 IC1.1 IC1.13 IC1.19 IC1.32 IC1.48 IC1.64 IC3.1 IC3.3 IC3.20 IC4.1 IC7.10 IC8.10 IC9.8 J1.1 J2.5 L1.1 R1.1 R2.1 R8.2 R9.2 R10.2 R11.2 R12.2 R13.2 R14.2 R15.2 R21.2 R23.2 U1.6 U1.8 U4.3 Y1.4 | length 467.5
  Top Layer w0.254: IC3.3@38.593,2.414 38.593,3.312 39.37,4.089 v1(41.834,4.089) ; C34.2@61.356,-2.332 61.356,-0.162 63.221,1.702 IC1.13@64.32,1.702 ; C27.2@67.031,-4.762 67.031,-3.251 67.308,-2.974 IC1.19@67.308,-1.786 ; IC4.1@68.818,43.506 68.818,44.402 70.123,45.707 C37.1@72.72,45.707 ; IC7.10@97.933,-0.245 99.863,-0.245 v1(100.584,-0.965) ; IC8.10@98.466,-16.628 98.489,-16.605 99.24,-16.605 99.96,-15.884 100.575,-15.884 v1(100.66,-15.799)
  Top Layer w0.3: C29.2@61.951,9.131 61.951,8.103 62.351,7.702 IC1.1@64.32,7.702 ; C28.2@65.102,11.963 65.862,11.963 66.308,11.518 IC1.64@66.308,9.69 ; 73.808,-3.093 IC1.32@73.808,-1.786 ; IC1.48@75.796,7.702 77.363,7.702 77.368,7.696
  Top Layer w0.4: 73.808,-3.093 73.808,-3.45 74.168,-3.81 ; 77.368,7.696 77.927,7.696 78.41,8.179 78.562,8.179 ; IC9.8@81.915,-7.404 81.915,-5.498 v1@81.952,-5.461
  Top Layer w0.5: 74.168,-3.81 74.942,-4.584 C31.2@75.971,-4.584 77.253,-4.584 v1(77.692,-5.022) 79.535,-5.022 79.974,-5.461 v1@81.763,-5.461 ; 78.562,8.179 78.574,8.191 C32.2@79.629,8.191 ; Y1.4@79.892,20.115 80.926,20.115 81.116,19.926 C1.2@81.864,19.926 ; C64.2@81.927,-1.575 81.94,-1.587 81.94,-3.645 C63.2@81.952,-3.658 v1@81.952,-5.232 ; v1@81.952,-5.461 81.952,-5.271 v1(81.991,-5.232) ; C62.1@99.591,-4.14 99.618,-4.167 99.618,-5.561 v1(99.644,-5.588)
  Top Layer w0.7: R23.2@34.527,10.929 41.903,10.929 v1(43.028,9.804) ; v1(42.647,6.121) 44.018,6.121 44.428,6.531 v1(44.428,7.366) 44.428,9.122 v1(44.552,9.246) v1(45.11,9.804) 45.72,10.414 v1(45.72,10.465) 46.025,10.77 v1(55.22,10.77) ; v1(43.028,7.214) v1(43.028,8.255) v1(43.028,9.804) ; v1(43.05,34.769) 43.055,34.775 R8.2@44.84,34.775 44.84,37.373 46.826,39.358 R9.2@48.336,39.358 ; v1(45.822,6.299) 45.898,6.375 v1(45.898,7.366) 45.898,8.382 v1(45.923,8.407) 46.646,9.131 C29.2@61.951,9.131 ; R9.2@48.436,39.358 48.512,39.434 R11.2@50.216,39.434 ; R10.2@49.781,28.711 49.781,27.359 v1(49.784,27.356) ; v1(59.461,-7.137) 61.331,-5.268 C33.2@61.331,-4.288 ; C33.2@61.344,-4.375 61.344,-2.345 C34.2@61.356,-2.332 ; C29.2@61.986,9.131 63.258,9.131 65.102,10.974 C28.2@65.102,11.963 ; v1(64.364,23.19) v1(62.789,23.19) ; v1(65.888,-4.801) 66.992,-4.801 C27.2@67.031,-4.762 ; L1.1@66.382,26.416 cw(c66.331,26.416) 66.331,26.365 C3.1@64.567,26.365 63.161,26.365 62.789,25.993 v1(62.789,23.19) ; C37.1@72.72,45.707 72.727,45.713 74.745,45.713 C36.1@74.752,45.72 76.429,45.72 v1(76.479,45.669) ; v1(73.863,-20.98) 73.863,-25.092 J2.5@73.866,-25.095 ; v1(76.403,11.659) R1.1@76.403,13.386 76.397,13.392 76.397,15.64 R2.1@76.391,15.646 v1(80.493,15.646) ; U4.3@78.664,32.436 78.792,32.308 78.792,28.422 C56.2@78.842,28.372 ; C56.2@78.792,28.296 v1(82.728,28.296) ; C32.2@79.629,8.191 79.642,8.203 81.902,8.203 C30.2@81.915,8.216 83.984,8.216 v1(83.998,8.23) ; v1(81.281,-20.294) 81.308,-20.294 v1(82.906,-18.695) 83.376,-18.225 R21.2@83.376,-17.069 ; C1.2@82.091,19.951 C2.2@83.744,19.951 85.127,19.951 v1(85.141,19.964) 85.154,19.951 v1(91.428,19.951) R12.2@91.428,18.593 ; v1(85.192,12.903) 85.204,12.916 R14.2@86.624,12.916 ; R15.2@95.846,13.5 97.65,13.5 v1(97.663,13.487) ; R13.2@95.859,15.532 95.896,15.532 95.909,15.545 97.561,15.545 v1(97.612,15.596) ; C61.1@100.559,-20.752 v1(100.559,-19.507) ; v1(43.028,9.804) v1(43.028,22.149) 44.069,23.19 v1(49.759,23.19) v1(59.131,23.19) v1(60.858,23.19) v1(62.789,23.19)
  Bottom Layer w0.5: v1(100.584,-0.965) 100.584,-4.648 v1(99.644,-5.588) 82.384,-5.588 82.028,-5.232 v1(81.991,-5.232) 81.953,-5.271 81.089,-5.271 80.213,-6.147 80.213,-15.951 82.957,-18.695 v1(82.906,-18.695) 85.039,-20.828 99.238,-20.828 v1(100.559,-19.507) 100.594,-19.472 100.559,-19.437 100.559,-15.955 100.66,-15.853 v1(100.66,-15.799)
  Bottom Layer w0.7: v1(42.799,4.039) 43.739,3.099 v1(43.739,3.048) 44.628,3.937 v1(44.628,3.962) v1(45.314,3.277) v1(45.949,2.642) 56.921,-8.331 56.921,-19.304 v1(56.896,-19.329) ; v1(42.824,5.08) v1(43.79,5.08) v1(44.907,5.08) v1(45.949,5.08) 47.244,5.08 v1(59.461,-7.137) 60.198,-7.874 62.814,-7.874 v1(65.888,-4.801) ; v1(43.028,22.149) 43.05,22.171 v1(43.05,34.769) ; v1(49.759,23.19) 49.759,27.33 v1(49.784,27.356) ; v1(55.22,10.77) 75.514,10.77 v1(76.403,11.659) ; J1.1@56.87,-23.444 56.896,-23.418 v1(56.896,-19.329) ; v1(76.479,45.669) 81.28,45.669 82.728,44.221 v1(82.728,28.296) 82.702,28.27 82.702,24.892 85.141,22.454 v1(85.141,19.964) 85.141,9.373 v1(83.998,8.23) ; v1(80.493,15.646) 80.874,15.646 v1@85.014,19.787 ; v1(81.281,-20.294) 80.594,-20.98 v1(73.863,-20.98) 73.838,-21.006 58.572,-21.006 v1(56.896,-19.329) ; v1(91.428,19.951) 96.33,19.951 97.612,18.669 v1(97.612,15.596) 97.663,15.545 v1(97.663,13.487)
  other v1: 43.866,6.121 44.425,8.331
12v: C18.2 C19.2 IC2.1 IC2.2 IC2.3 J3.2 J3.3
12vefuse: C20.2 C21.2 C49.1 C50.1 IC2.8 IC2.9 IC2.10 IC3.13 IC3.15 IC3.16 L6.2 | length 86.1
  Top Layer w0.254: v1(38.075,-3.683) 38.593,-3.165 IC3.13@38.593,-2.286
  Top Layer w0.7: v1(51.74,41.504) C49.1@54.838,41.504 ; C49.1@54.839,41.465 56.745,41.465 56.821,41.389 C50.1@56.921,41.389 ; C50.1@56.771,41.439 57.318,41.439 57.332,41.453 58.391,41.453 58.801,41.043 L6.2@58.801,39.727
  Bottom Layer w0.254: v1(38.075,-3.683) 41.351,-3.683 v1(41.402,-3.734)
  Bottom Layer w0.7: v1(41.58,-5.232) 34.468,-5.232 32.715,-3.48 32.715,39.522 34.696,41.504 v1(51.74,41.504)
BiasOut: C58.2 U4.1 | length 3.1
  Top Layer w0.152: U4.1@75.452,34.061 C58.2@72.544,34.061 ; C58.2@72.544,34.061 ccw(c72.544,34.009) C58.2@72.492,34.009 cw(c72.544,34.009) C58.2@72.544,34.061
BOOT0: IC1.60 J1.2 | length 42.2
  Top Layer w0.254: J1.2@56.845,-26.009 J1.2@56.87,-25.984 59.944,-25.984 61.265,-24.663 61.265,-7.137 v1(61.824,-6.579) ; v1(67.894,7.671) 67.894,7.791 68.308,8.205 IC1.60@68.308,9.69
  Bottom Layer w0.254: v1(61.824,-6.579) 67.812,-0.59 67.812,7.589 v1(67.894,7.671)
DAC: C51.1 IC1.20 IC5.12 | length 51.9
  Top Layer w0.254: v1(51.702,34.513) 51.758,34.569 C51.1@53.289,34.569 54.102,34.569 54.28,34.392 IC5.12@55.419,34.392 ; v1(67.081,0.051) 67.808,-0.676 IC1.20@67.808,-1.786
  Bottom Layer w0.254: v1(51.702,34.513) 51.702,12.027 57.709,6.02 66.37,6.02 67.081,5.309 v1(67.081,0.051)
EPS_N: IC8.7 IC8.8 J6.2 R19.1 | length 14.1
  Top Layer w0.12: IC8.7@98.466,-18.128 98.417,-18.079 96.791,-18.079 96.64,-17.927 96.64,-17.776 96.728,-17.688 98.406,-17.688 IC8.8@98.466,-17.628 98.54,-17.702 102.083,-17.702 102.176,-17.795 102.655,-17.795 R19.1@102.895,-18.035 102.974,-18.035 103.335,-17.674 103.335,-17.666 103.406,-17.595 105.562,-17.595 106.328,-16.83 107.332,-16.83 107.647,-17.145 J6.2@107.818,-17.145
EPS_P: IC8.6 IC8.9 J6.1 R19.2 | length 16.2
  Top Layer w0.12: IC8.6@98.466,-18.628 98.399,-18.695 97.704,-18.695 97.7,-18.699 96.534,-18.699 96.02,-18.184 96.02,-17.519 96.472,-17.068 96.686,-17.068 98.406,-17.068 IC8.9@98.466,-17.128 98.512,-17.082 102.249,-17.082 102.795,-16.535 R19.2@102.895,-16.535 102.974,-16.535 103.335,-16.897 103.335,-16.905 103.406,-16.975 105.306,-16.975 106.071,-16.21 107.503,-16.21 J6.1@107.818,-15.895
EPS_RS485_DE: IC1.37 IC8.3 | length 35.7
  Top Layer w0.254: IC1.37@75.796,2.202 77.072,2.202 v1(77.343,1.93) ; v1(89.654,-1.853) 89.654,-15.562 91.719,-17.628 IC8.3@94.066,-17.628
  Bottom Layer w0.254: v1(77.343,1.93) 77.343,-0.051 79.107,-1.815 89.025,-1.815 89.063,-1.853 v1(89.654,-1.853)
EPS_RS485_RE: IC1.36 IC8.2 R20.1 | length 50
  Top Layer w0.254: v1(72.288,2.997) 73.229,2.997 74.524,1.702 IC1.36@75.796,1.702 ; v1(87.96,-4.064) 87.96,-17.094 91.592,-20.726 R20.1@95.299,-20.726 95.299,-17.398 95.029,-17.128 IC8.2@94.066,-17.128
  Bottom Layer w0.254: v1(72.288,2.997) 72.288,1.575 77.724,-3.861 87.636,-3.861 87.84,-4.064 v1(87.96,-4.064)
EPS_RS485_RX: IC1.15 IC8.1 | length 45.2
  Top Layer w0.254: IC1.15@64.32,0.702 66.031,0.702 66.37,1.041 72.514,1.041 72.767,0.788 72.978,0.788 73.193,1.003 73.723,1.003 v1(73.809,1.088) ; v1(91.034,-2.792) 91.119,-2.877 91.119,-15.3 92.447,-16.628 IC8.1@94.066,-16.628
  Bottom Layer w0.254: v1(73.809,1.088) 73.809,1.012 78.097,-3.277 90.549,-3.277 v1(91.034,-2.792)
EPS_RS485_TX: IC1.14 IC8.4 | length 46.3
  Top Layer w0.254: IC1.14@64.32,1.202 65.743,1.202 66.396,1.854 73.253,1.854 v1(73.285,1.886) ; v1(88.722,-2.546) 88.726,-2.549 88.726,-3.277 88.976,-3.527 88.976,-16.332 90.772,-18.128 IC8.4@94.066,-18.128
  Bottom Layer w0.254: v1(73.285,1.886) 73.317,1.854 74.371,1.854 78.842,-2.616 88.652,-2.616 v1(88.722,-2.546)
FLASH_QSPI_CS: IC1.16 IC9.1 R21.1 | length 36.6
  Top Layer w0.254: IC1.16@64.32,0.202 63.372,0.202 62.814,-0.356 62.814,-12.954 64.11,-14.249 81.736,-14.249 81.885,-14.398 81.885,-16.984 R21.1@81.876,-16.993
FLASH_QSPI_IO0: IC1.27 IC9.5 | length 34.1
  Top Layer w0.254: IC1.27@71.308,-1.786 71.308,-3.109 v1(72.161,-3.962) ; v1(72.238,-10.82) 72.794,-10.82 72.921,-10.82 73.074,-10.668 73.074,-10.385 73.226,-10.233 73.683,-10.233 73.836,-10.385 73.836,-11.034 73.988,-11.186 74.445,-11.186 74.598,-11.034 74.598,-10.385 74.75,-10.233 75.207,-10.233 75.36,-10.385 75.36,-11.034 75.512,-11.186 75.969,-11.186 76.122,-11.034 76.122,-10.385 76.274,-10.233 76.731,-10.233 76.884,-10.385 76.884,-11.034 77.036,-11.186 77.493,-11.186 77.646,-11.034 77.646,-10.385 77.798,-10.233 78.255,-10.233 78.408,-10.385 78.408,-11.034 78.56,-11.186 79.017,-11.186 79.17,-11.034 79.17,-10.385 79.322,-10.233 79.779,-10.233 79.932,-10.385 79.932,-11.034 80.084,-11.186 80.541,-11.186 80.694,-11.034 80.694,-10.454 80.846,-10.301 81.303,-10.301 81.456,-10.454 81.456,-10.668 81.608,-10.82 84.198,-10.82 84.557,-10.82 85.703,-9.674 IC9.5@85.703,-7.37
  Bottom Layer w0.254: v1(72.161,-3.962) 72.161,-10.744 v1(72.238,-10.82)
FLASH_QSPI_IO1: IC1.26 IC9.2 | length 32.5
  Top Layer w0.254: IC1.26@70.808,-1.786 70.808,-3.251 70.968,-3.411 v1(70.968,-4.572) ; v1(70.993,-13.132) 71.93,-13.132 72.057,-13.132 72.209,-12.979 72.209,-12.974 72.362,-12.822 72.819,-12.822 72.971,-12.974 72.971,-13.643 73.124,-13.795 73.581,-13.795 73.733,-13.643 73.733,-12.974 73.886,-12.822 74.343,-12.822 74.495,-12.974 74.495,-13.643 74.648,-13.795 75.105,-13.795 75.257,-13.643 75.257,-12.974 75.41,-12.822 75.867,-12.822 76.019,-12.974 76.019,-13.643 76.172,-13.795 76.629,-13.795 76.781,-13.643 76.781,-12.974 76.934,-12.822 77.391,-12.822 77.543,-12.974 77.543,-13.643 77.696,-13.795 78.153,-13.795 78.305,-13.643 78.305,-13.042 78.458,-12.889 78.915,-12.889 79.067,-13.042 79.067,-13.284 79.22,-13.437 79.677,-13.437 79.829,-13.284 79.982,-13.132 81.658,-13.132 82.804,-13.132 83.185,-13.513 IC9.2@83.185,-15.304
  Bottom Layer w0.254: v1@70.968,-4.588 70.968,-13.106 v1(70.993,-13.132)
FLASH_QSPI_IO2: IC1.23 IC9.3 | length 33.8
  Top Layer w0.254: IC1.23@69.308,-1.786 69.308,-4.586 69.875,-5.154 v1(69.875,-5.232) ; v1(69.875,-11.862) 71.101,-11.862 71.99,-11.862 72.143,-12.014 72.143,-12.215 72.295,-12.368 72.752,-12.368 72.905,-12.215 72.905,-11.757 73.057,-11.604 73.514,-11.604 73.667,-11.757 73.667,-12.215 73.819,-12.368 74.276,-12.368 74.429,-12.215 74.429,-11.793 74.581,-11.64 75.038,-11.64 75.191,-11.793 75.191,-12.215 75.343,-12.368 75.8,-12.368 75.953,-12.215 75.953,-11.793 76.105,-11.64 76.562,-11.64 76.715,-11.793 76.715,-12.215 76.867,-12.368 77.324,-12.368 77.477,-12.215 77.477,-11.793 77.629,-11.64 78.086,-11.64 78.239,-11.793 78.239,-12.215 78.391,-12.368 78.848,-12.368 79.001,-12.215 79.001,-11.793 79.153,-11.64 79.61,-11.64 79.763,-11.793 79.763,-12.143 79.915,-12.295 80.372,-12.295 80.525,-12.143 80.525,-12.014 80.677,-11.862 83.513,-11.862 83.896,-11.862 84.43,-12.395 IC9.3@84.43,-15.012
  Bottom Layer w0.254: v1(69.875,-11.862) v1(69.875,-5.232)
FLASH_QSPI_IO3: IC1.22 IC9.7 | length 32.5
  Top Layer w0.254: IC1.22@68.808,-1.786 68.808,-8.102 68.847,-8.141 69.647,-8.941 73.295,-8.941 73.447,-8.788 73.6,-8.636 74.057,-8.636 74.209,-8.788 74.209,-9.041 74.362,-9.194 74.819,-9.194 74.971,-9.041 74.971,-8.264 75.124,-8.111 75.581,-8.111 75.733,-8.264 75.733,-9.096 75.886,-9.249 76.343,-9.249 76.495,-9.096 76.495,-8.264 76.648,-8.111 77.105,-8.111 77.257,-8.264 77.257,-9.096 77.41,-9.249 77.867,-9.249 78.019,-9.096 78.019,-8.264 78.172,-8.111 78.629,-8.111 78.781,-8.264 78.781,-9.096 78.934,-9.249 79.391,-9.249 79.543,-9.096 79.543,-8.264 79.696,-8.111 80.153,-8.111 80.305,-8.264 80.305,-9.096 80.458,-9.249 80.915,-9.249 81.067,-9.096 81.067,-8.264 81.22,-8.111 81.677,-8.111 81.829,-8.264 81.829,-9.096 81.982,-9.249 82.439,-9.249 82.591,-9.096 82.591,-9.001 82.871,-8.722 83.163,-8.429 IC9.7@83.163,-7.37
FLASH_QSPI_SCK: IC1.17 IC9.6 | length 29.9
  Top Layer w0.254: IC1.17@66.308,-1.786 66.308,-3.034 64.719,-4.623 64.719,-9.068 65.354,-9.703 83.795,-9.703 84.433,-9.064 IC9.6@84.433,-7.37